# KiCad board v10.kicad_pcb
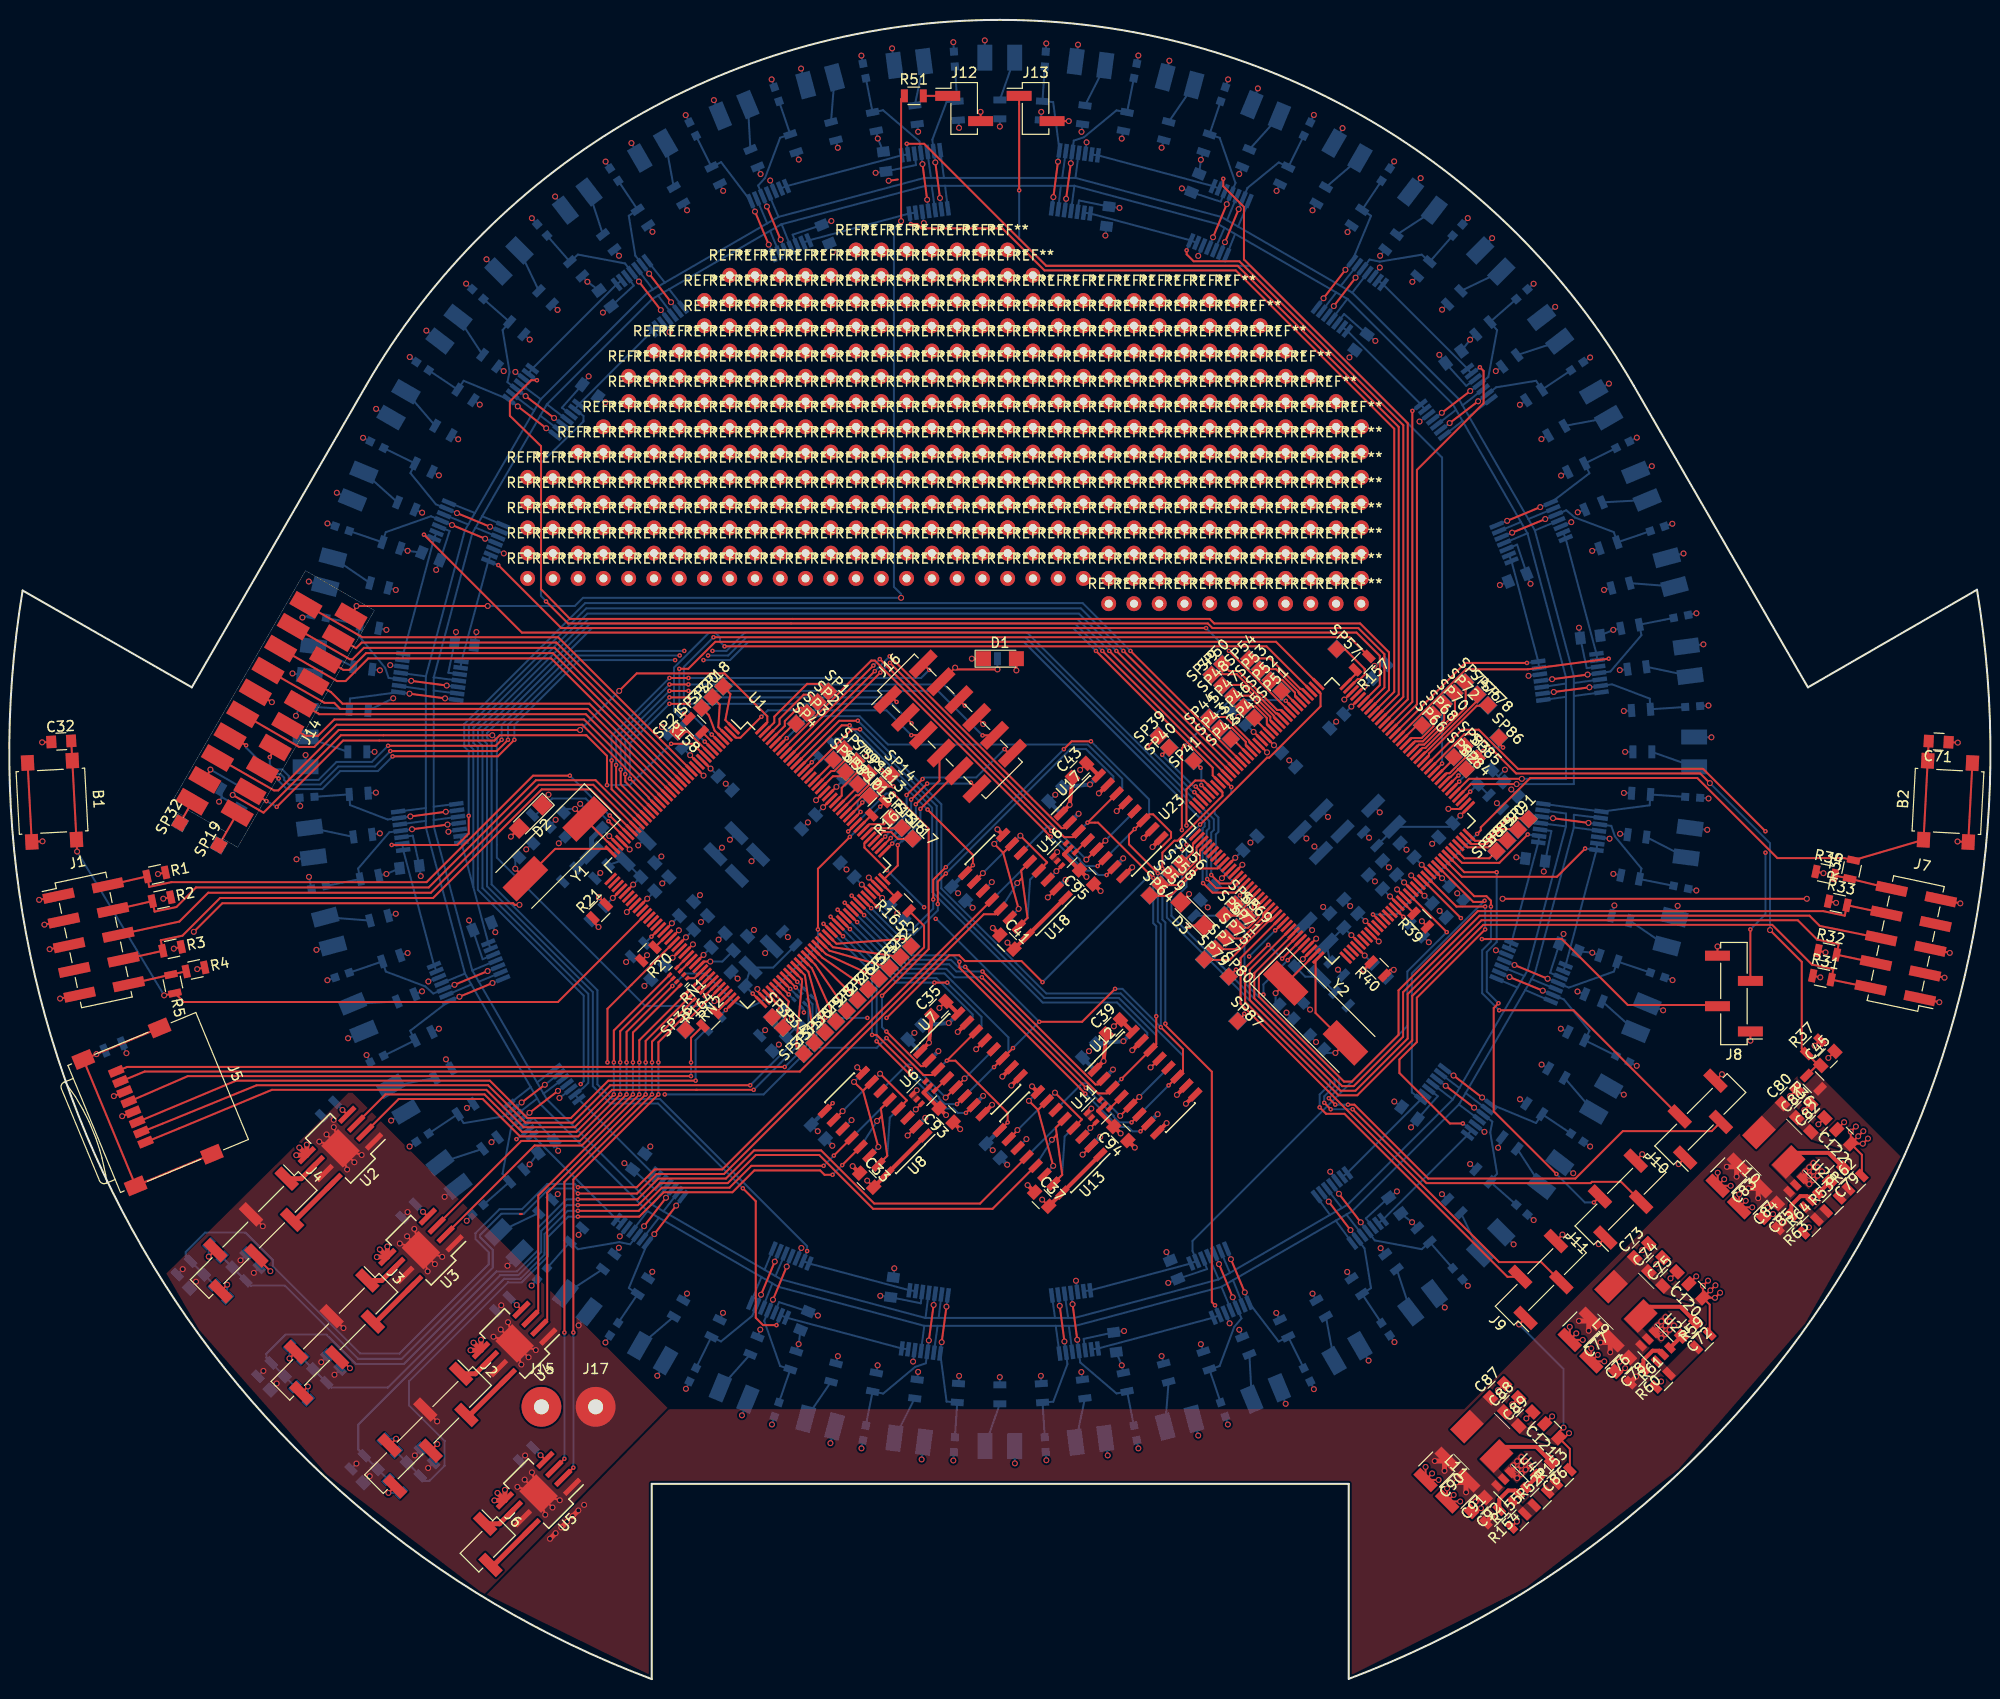
[diagram p0: board, top side]
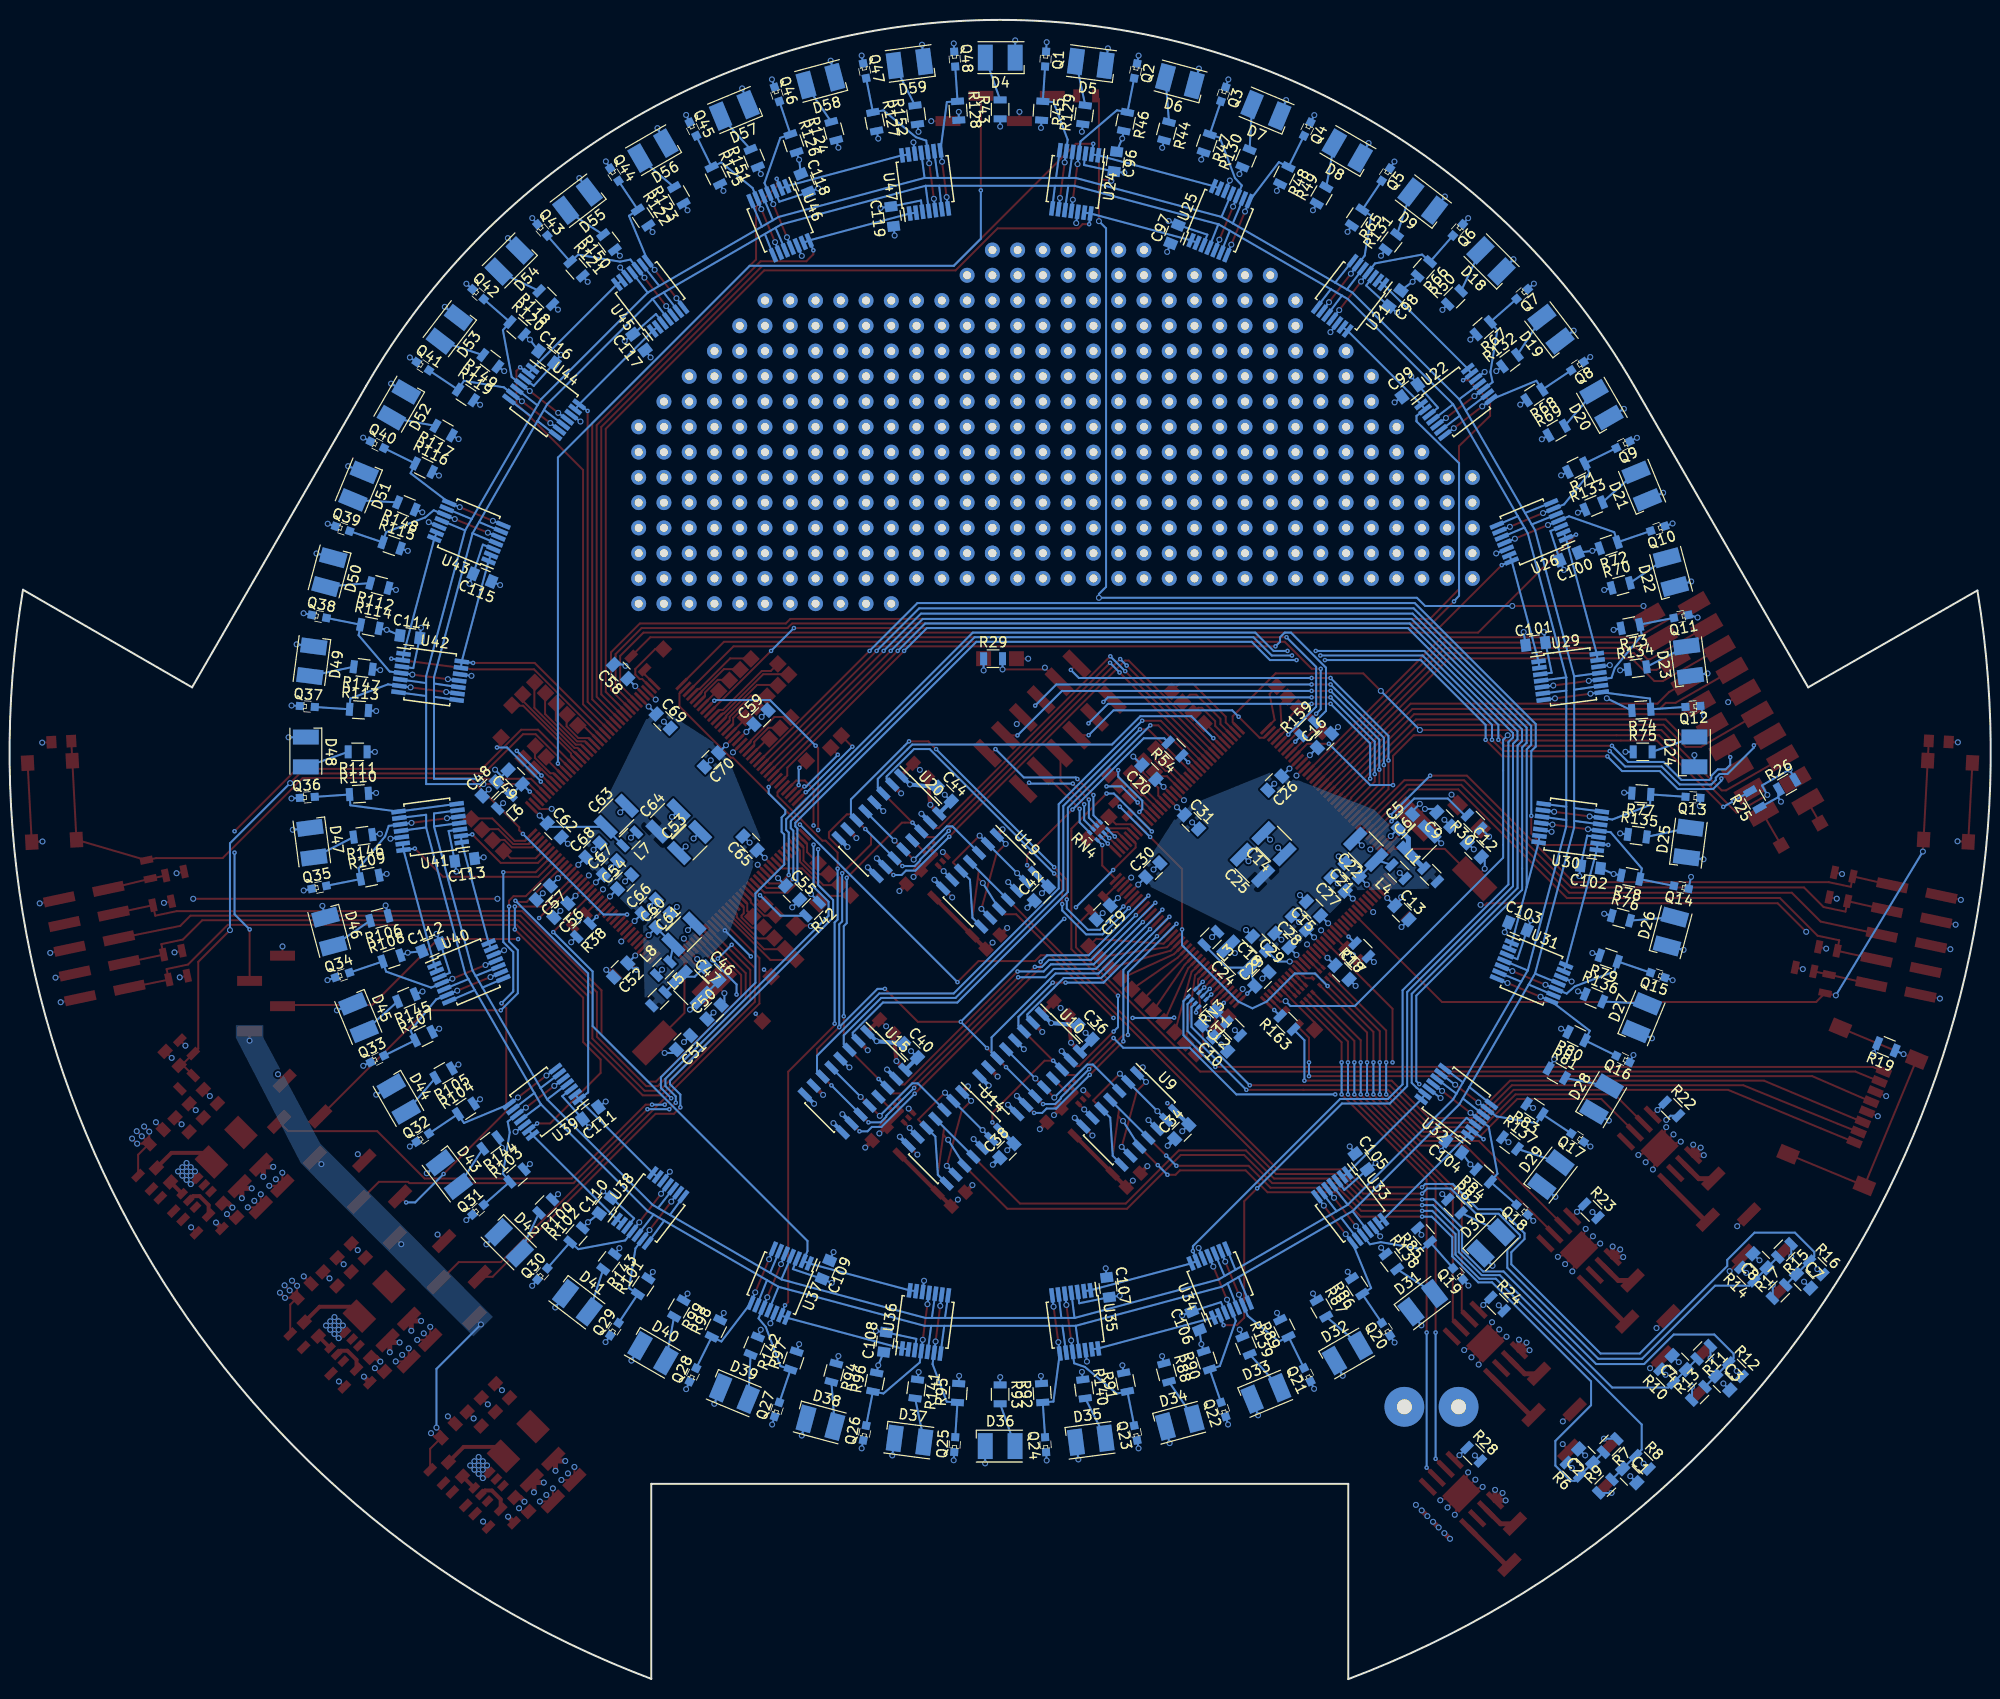
[diagram p1: board, bottom side, seen from below]

Outline 199.16 x 166.83 mm; copper layers: Top, In1.Cu (plane), In2.Cu (plane), Bottom. Coordinates in mm from the lower left corner of the outline.
Outline path: 163.32,130.03 arc(99.58,166.83) 35.84,130.03 18.34,99.72 1.33,109.45 arc(13.36,43.4) 64.58,0 64.58,19.63 134.66,19.63 134.66,0.03 arc(185.84,43.47) 197.82,109.53 180.82,99.72 163.32,130.03

## Placement (name value [footprint] x y rotation side)
B1  BUTTON  [SW_SPST_B3S-1000]  4.29 88.27 273 top
B2  BUTTON  [SW_SPST_B3S-1000]  194.9 88.25 87 top
C1  opt.  [C_0805]  36.28 20.45 225 bottom
C2  opt.  [C_0805]  40.71 22.44 45 bottom
C3  opt.  [C_0805]  26.93 29.78 225 bottom
C4  opt.  [C_0805]  31.3 31.82 45 bottom
C5  100n  [C_0805]  58.84 86.23 135 bottom
C6  10u  [C_1210]  57.48 84.16 135 bottom
C7  opt.  [C_0805]  18.81 40.01 225 bottom
C8  opt.  [C_0805]  23.19 42.05 45 bottom
C9  22p  [C_0805]  54.97 86.45 45 bottom
C10  100n  [C_0805]  77.42 63.85 45 bottom
C11  100n  [C_0805]  78.61 66.46 315 bottom
C12  22p  [C_0805]  51.91 83.38 225 bottom
C13  22p  [C_0805]  59.19 77.07 225 bottom
C14  10u  [C_1210]  72.04 84 45 bottom
C15  100n  [C_0805]  68.08 77.47 45 bottom
C16  100n  [C_0805]  66.97 94.36 135 bottom
C17  100n  [C_0805]  65.21 71.06 225 bottom
C18  100n  [C_0805]  73.5 73.96 45 bottom
C19  100n  [C_0805]  89.22 77.07 315 bottom
C20  100n  [C_0805]  84.62 91.18 45 bottom
C21  100n  [C_0805]  64.19 81.35 45 bottom
C22  10u  [C_1210]  62.82 83.43 45 bottom
C23  100n  [C_0805]  73.27 70.39 135 bottom
C24  10u  [C_1210]  75.58 72.6 45 bottom
C25  10u  [C_1210]  74.21 81.83 45 bottom
C26  100n  [C_0805]  71.96 90.08 315 bottom
C27  100n  [C_0805]  65.6 79.94 45 bottom
C28  100n  [C_0805]  69.49 76.05 45 bottom
C29  100n  [C_0805]  71.26 74.28 45 bottom
C30  100n  [C_0805]  84.23 81.35 135 bottom
C31  100n  [C_0805]  80.34 86.19 225 bottom
C32  10n  [C_0805]  5.22 94.28 3 top
C33  100n  [C_0805]  86.19 50.16 315 top
C34  100n  [C_0805]  81.32 55.04 135 bottom
C35  100n  [C_0805]  93.45 67.43 45 top
C36  100n  [C_0805]  91.05 65.03 225 bottom
C37  100n  [C_0805]  103.78 48.25 315 top
C38  100n  [C_0805]  98.91 53.13 135 bottom
C39  100n  [C_0805]  111 65.59 45 top
C40  100n  [C_0805]  108.59 63.19 225 bottom
C41  100n  [C_0805]  100.29 74.1 315 top
C42  100n  [C_0805]  95.43 78.97 135 bottom
C43  100n  [C_0805]  107.6 91.36 45 top
C44  100n  [C_0805]  105.2 88.97 225 bottom
C45  10n  [C_0805]  182.82 62.41 45 top
C46  100n  [C_0805]  128.57 70.93 225 bottom
C47  10u  [C_1210]  130.64 69.56 225 bottom
C48  100n  [C_0805]  150.95 89.5 135 bottom
C49  100n  [C_0805]  148.34 90.7 45 bottom
C50  22p  [C_0805]  128.34 67.07 135 bottom
C51  22p  [C_0805]  131.42 64 315 bottom
C52  22p  [C_0805]  137.73 71.28 315 bottom
C53  10u  [C_1210]  130.8 84.12 135 bottom
C54  100n  [C_0805]  137.34 80.16 135 bottom
C55  100n  [C_0805]  120.44 79.06 225 bottom
C56  100n  [C_0805]  143.74 77.29 315 bottom
C57  100n  [C_0805]  145.51 79.06 315 bottom
C58  100n  [C_0805]  137.73 101.3 45 bottom
C59  100n  [C_0805]  123.62 96.71 135 bottom
C60  100n  [C_0805]  133.45 76.27 135 bottom
C61  10u  [C_1210]  131.37 74.91 135 bottom
C62  100n  [C_0805]  144.41 85.35 225 bottom
C63  10u  [C_1210]  138.17 86.75 135 bottom
C64  10u  [C_1210]  132.97 86.29 135 bottom
C65  100n  [C_0805]  124.72 84.05 45 bottom
C66  100n  [C_0805]  134.86 77.69 135 bottom
C67  100n  [C_0805]  138.75 81.58 135 bottom
C68  100n  [C_0805]  140.52 83.34 135 bottom
C69  100n  [C_0805]  133.45 96.31 225 bottom
C70  100n  [C_0805]  128.61 92.42 315 bottom
C71  10n  [C_0805]  193.96 94.26 177 top
C72  100n  [C_0805]  168.83 35.19 225 top
C73  22u  [C_0805]  164.11 43.08 45 top
C74  22u  [C_0805]  165.53 41.66 45 top
C75  22u  [C_0805]  166.95 40.24 45 top
C76  10u  [C_1210]  160.1 33 225 top
C77  10u  [C_1210]  157.94 35.17 225 top
C78  100n  [C_0805]  162.17 31.64 225 top
C79  100n  [C_0805]  183.7 50.69 225 top
C80  22u  [C_0805]  178.98 58.57 45 top
C81  22u  [C_0805]  180.4 57.15 45 top
C82  22u  [C_0805]  181.82 55.73 45 top
C83  10u  [C_1210]  172.81 50.66 225 top
C84  10u  [C_1210]  174.97 48.5 225 top
C85  100n  [C_0805]  177.04 47.13 225 top
C86  100n  [C_0805]  154.34 21.11 225 top
C87  22u  [C_0805]  149.62 29 45 top
C88  22u  [C_0805]  151.04 27.58 45 top
C89  22u  [C_0805]  152.46 26.15 45 top
C90  10u  [C_1210]  143.44 21.08 225 top
C91  10u  [C_1210]  145.61 18.92 225 top
C92  100n  [C_0805]  147.68 17.56 225 top
C93  100n  [C_0805]  94.18 56.7 135 top
C94  100n  [C_0805]  111.73 54.86 135 top
C95  100n  [C_0805]  108.3 80.65 135 top
C96  100n  [C_0805]  88 152.58 277.5 bottom
C97  100n  [C_0805]  82.05 145.28 112.5 bottom
C98  100n  [C_0805]  59.89 138.83 307.5 bottom
C99  100n  [C_0805]  58.39 129.54 142.5 bottom
C100  100n  [C_0805]  42.39 112.88 337.5 bottom
C101  100n  [C_0805]  45.75 104.08 172.5 bottom
C102  100n  [C_0805]  40.23 81.65 7.5 bottom
C103  100n  [C_0805]  47.53 75.7 202.5 bottom
C104  100n  [C_0805]  53.97 53.53 37.5 bottom
C105  100n  [C_0805]  63.27 52.03 232.5 bottom
C106  100n  [C_0805]  79.93 36.03 67.5 bottom
C107  100n  [C_0805]  88.73 39.39 262.5 bottom
C108  100n  [C_0805]  111.15 33.87 97.5 bottom
C109  100n  [C_0805]  117.1 41.17 292.5 bottom
C110  100n  [C_0805]  139.27 47.61 127.5 bottom
C111  100n  [C_0805]  140.77 56.91 322.5 bottom
C112  100n  [C_0805]  156.77 73.57 157.5 bottom
C113  100n  [C_0805]  153.41 82.37 352.5 bottom
C114  100n  [C_0805]  158.93 104.8 187.5 bottom
C115  100n  [C_0805]  151.63 110.75 22.5 bottom
C116  100n  [C_0805]  145.19 132.93 217.5 bottom
C117  100n  [C_0805]  135.89 134.42 52.5 bottom
C118  100n  [C_0805]  119.23 150.41 247.5 bottom
C119  100n  [C_0805]  110.43 147.06 82.5 bottom
C120  22u  [C_0805]  169.56 39.04 135 top
C121  22u  [C_0805]  155.07 24.97 135 top
C122  22u  [C_0805]  184.42 54.54 135 top
D1  POW B  [LED_1206]  99.59 102.6 0 top
D2  LED O  [LED_1206]  52.42 86.71 225 top
D3  LED G  [LED_1206]  118.94 76.93 135 top
D4  VLMW41R1T1  [LED_PLCC-2]  99.57 163.03 0 bottom
D5  VLMW41R1T1  [LED_PLCC-2]  90.47 162.45 7.5 bottom
D6  VLMW41R1T1  [LED_PLCC-2]  81.51 160.66 15 bottom
D7  VLMW41R1T1  [LED_PLCC-2]  72.86 157.74 22.5 bottom
D8  VLMW41R1T1  [LED_PLCC-2]  64.68 153.69 30 bottom
D9  VLMW41R1T1  [LED_PLCC-2]  57.09 148.61 37.5 bottom
D18  VLMW41R1T1  [LED_PLCC-2]  50.23 142.59 45 bottom
D19  VLMW41R1T1  [LED_PLCC-2]  44.2 135.73 52.5 bottom
D20  VLMW41R1T1  [LED_PLCC-2]  39.12 128.14 60 bottom
D21  VLMW41R1T1  [LED_PLCC-2]  35.07 119.95 67.5 bottom
D22  VLMW41R1T1  [LED_PLCC-2]  32.14 111.3 75 bottom
D23  VLMW41R1T1  [LED_PLCC-2]  30.37 102.35 82.5 bottom
D24  VLMW41R1T1  [LED_PLCC-2]  29.78 93.23 90 bottom
D25  VLMW41R1T1  [LED_PLCC-2]  30.38 84.12 97.5 bottom
D26  VLMW41R1T1  [LED_PLCC-2]  32.15 75.16 105 bottom
D27  VLMW41R1T1  [LED_PLCC-2]  35.07 66.51 112.5 bottom
D28  VLMW41R1T1  [LED_PLCC-2]  39.12 58.32 120.5 bottom
D29  VLMW41R1T1  [LED_PLCC-2]  44.2 50.73 127.5 bottom
D30  VLMW41R1T1  [LED_PLCC-2]  50.22 43.87 135 bottom
D31  VLMW41R1T1  [LED_PLCC-2]  57.09 37.85 142.5 bottom
D32  VLMW41R1T1  [LED_PLCC-2]  64.67 32.77 150 bottom
D33  VLMW41R1T1  [LED_PLCC-2]  72.86 28.72 157.5 bottom
D34  VLMW41R1T1  [LED_PLCC-2]  81.51 25.79 165 bottom
D35  VLMW41R1T1  [LED_PLCC-2]  90.47 24.02 172.5 bottom
D36  VLMW41R1T1  [LED_PLCC-2]  99.58 23.43 180 bottom
D37  VLMW41R1T1  [LED_PLCC-2]  108.69 24.02 187.5 bottom
D38  VLMW41R1T1  [LED_PLCC-2]  117.65 25.78 195 bottom
D39  VLMW41R1T1  [LED_PLCC-2]  126.29 28.72 202.5 bottom
D40  VLMW41R1T1  [LED_PLCC-2]  134.48 32.77 210 bottom
D41  VLMW41R1T1  [LED_PLCC-2]  142.08 37.85 217.5 bottom
D42  VLMW41R1T1  [LED_PLCC-2]  148.93 43.87 225 bottom
D43  VLMW41R1T1  [LED_PLCC-2]  154.96 50.73 232.5 bottom
D44  VLMW41R1T1  [LED_PLCC-2]  160.04 58.32 240 bottom
D45  VLMW41R1T1  [LED_PLCC-2]  164.08 66.51 247.5 bottom
D46  VLMW41R1T1  [LED_PLCC-2]  167.02 75.16 255 bottom
D47  VLMW41R1T1  [LED_PLCC-2]  168.77 84.1 262.5 bottom
D48  VLMW41R1T1  [LED_PLCC-2]  169.38 93.22 270 bottom
D49  VLMW41R1T1  [LED_PLCC-2]  168.78 102.34 277.5 bottom
D50  VLMW41R1T1  [LED_PLCC-2]  167.02 111.3 285 bottom
D51  VLMW41R1T1  [LED_PLCC-2]  164.08 119.95 292.5 bottom
D52  VLMW41R1T1  [LED_PLCC-2]  160.03 128.13 300 bottom
D53  VLMW41R1T1  [LED_PLCC-2]  154.95 135.71 307.5 bottom
D54  VLMW41R1T1  [LED_PLCC-2]  148.93 142.58 315 bottom
D55  VLMW41R1T1  [LED_PLCC-2]  142.07 148.6 322.5 bottom
D56  VLMW41R1T1  [LED_PLCC-2]  134.49 153.69 330 bottom
D57  VLMW41R1T1  [LED_PLCC-2]  126.3 157.73 337.5 bottom
D58  VLMW41R1T1  [LED_PLCC-2]  117.65 160.67 345 bottom
D59  VLMW41R1T1  [LED_PLCC-2]  108.7 162.44 352.5 bottom
J1  JTAG  [Pin_Header_Straight_2x05_Pitch2.54mm_SMD]  8.47 74.32 12 top
J2  Motor + Enc 1  [Pin_Header_Straight_1x06_Pitch2.54mm_SMD_Pin1Left]  42.09 25.04 315 top
J3  Motor + Enc 2  [Pin_Header_Straight_1x06_Pitch2.54mm_SMD_Pin1Left]  32.68 34.42 315 top
J4  Motor + Enc 3  [Pin_Header_Straight_1x06_Pitch2.54mm_SMD_Pin1Left]  24.56 44.66 315 top
J5  Micro_SD_Card  [microSD_Card_Receptacle_Wuerth_693072010801]  14.96 57.98 112.5 top
J6  Motor 4  [Pin_Header_Straight_1x02_Pitch2.54mm_SMD_Pin1Left]  48.1 13.55 315 top
J7  JTAG  [Pin_Header_Straight_2x05_Pitch2.54mm_SMD]  190.65 73.96 168 top
J8  Ultrasonic 1  [Pin_Header_Straight_1x04_Pitch2.54mm_SMD_Pin1Left]  173.38 68.93 180 top
J9  Ultrasonic 2  [Pin_Header_Straight_1x04_Pitch2.54mm_SMD_Pin1Left]  153.96 40.18 135 top
J10  Ultrasonic 3  [Pin_Header_Straight_1x04_Pitch2.54mm_SMD_Pin1Left]  170 56.3 135 top
J11  Ultrasonic 4  [Pin_Header_Straight_1x04_Pitch2.54mm_SMD_Pin1Left]  161.98 48.26 135 top
J12  light_barrier transmitter  [Pin_Header_Straight_1x02_Pitch2.54mm_SMD_Pin1Left]  95.99 157.92 0 top
J13  light_barrier reciver  [Pin_Header_Straight_1x02_Pitch2.54mm_SMD_Pin1Left]  103.17 157.92 0 top
J14  UI+top  [2178711_Wire-To-Board_20-Pin_1,27mm_SMD]  26.36 97.54 240 top
J15  POW_12V  [SolderWirePad_single_1-5mmDrill]  53.49 27.38 0 top
J16  Raspberry Pi  [Pin_Header_Straight_2x06_Pitch2.54mm_SMD]  94.57 95.8 45 top
J17  POW_GND  [SolderWirePad_single_1-5mmDrill]  58.94 27.38 0 top
L1  74279206  [L_0805]  56.3 80.87 225 bottom
L2  74279206  [L_0805]  76.11 65.37 225 bottom
L3  74279206  [L_0805]  78.39 74.49 315 bottom
L4  74279206  [L_0805]  59.53 81.18 45 bottom
L5  74279206  [L_0805]  133.94 68.39 315 bottom
L6  74279206  [L_0805]  149.43 88.19 135 bottom
L7  74279206  [L_0805]  136.82 84.48 315 bottom
L8  74279206  [L_0805]  133.45 71.45 135 bottom
L9  -  [SRP5015TA-3R3M]  162.52 37.98 135 top
L10  -  [SRP5015TA-3R3M]  177.39 53.47 135 top
L11  -  [SRP5015TA-3R3M]  148.03 23.9 135 top
Q1  KDT00030TR  [ChipLED]  95.01 162.89 273.8 bottom
Q2  KDT00030TR  [ChipLED]  85.96 161.7 281.2 bottom
Q3  KDT00030TR  [ChipLED]  77.14 159.35 288.8 bottom
Q4  KDT00030TR  [ChipLED]  68.7 155.85 296.2 bottom
Q5  KDT00030TR  [ChipLED]  60.8 151.27 303.8 bottom
Q6  KDT00030TR  [ChipLED]  53.56 145.71 311.2 bottom
Q7  KDT00030TR  [ChipLED]  47.1 139.26 318.8 bottom
Q8  KDT00030TR  [ChipLED]  41.54 132.01 326.2 bottom
Q9  KDT00030TR  [ChipLED]  36.96 124.11 333.8 bottom
Q10  KDT00030TR  [ChipLED]  33.46 115.68 341.2 bottom
Q11  KDT00030TR  [ChipLED]  31.11 106.85 348.8 bottom
Q12  KDT00030TR  [ChipLED]  29.93 97.8 356.2 bottom
Q13  KDT00030TR  [ChipLED]  29.93 88.66 3.8 bottom
Q14  KDT00030TR  [ChipLED]  31.11 79.61 11.2 bottom
Q15  KDT00030TR  [ChipLED]  33.46 70.78 18.8 bottom
Q16  KDT00030TR  [ChipLED]  36.96 62.35 26.2 bottom
Q17  KDT00030TR  [ChipLED]  41.53 54.44 33.8 bottom
Q18  KDT00030TR  [ChipLED]  47.11 47.2 41.2 bottom
Q19  KDT00030TR  [ChipLED]  53.55 40.75 48.8 bottom
Q20  KDT00030TR  [ChipLED]  60.79 35.18 56.8 bottom
Q21  KDT00030TR  [ChipLED]  68.7 30.6 63.8 bottom
Q22  KDT00030TR  [ChipLED]  77.14 27.11 71.8 bottom
Q23  KDT00030TR  [ChipLED]  85.96 24.75 78.8 bottom
Q24  KDT00030TR  [ChipLED]  95.01 23.57 86.2 bottom
Q25  KDT00030TR  [ChipLED]  104.14 23.58 93.8 bottom
Q26  KDT00030TR  [ChipLED]  113.2 24.76 101.2 bottom
Q27  KDT00030TR  [ChipLED]  122.01 27.11 108.8 bottom
Q28  KDT00030TR  [ChipLED]  130.46 30.59 116.2 bottom
Q29  KDT00030TR  [ChipLED]  138.36 35.18 123.8 bottom
Q30  KDT00030TR  [ChipLED]  145.6 40.75 131.2 bottom
Q31  KDT00030TR  [ChipLED]  152.06 47.2 138.8 bottom
Q32  KDT00030TR  [ChipLED]  157.62 54.44 146.2 bottom
Q33  KDT00030TR  [ChipLED]  162.2 62.35 153.8 bottom
Q34  KDT00030TR  [ChipLED]  165.7 70.79 161.2 bottom
Q35  KDT00030TR  [ChipLED]  168.05 79.61 168.8 bottom
Q36  KDT00030TR  [ChipLED]  169.23 88.66 176.2 bottom
Q37  KDT00030TR  [ChipLED]  169.23 97.79 183.8 bottom
Q38  KDT00030TR  [ChipLED]  168.05 106.85 191.2 bottom
Q39  KDT00030TR  [ChipLED]  165.69 115.66 198.8 bottom
Q40  KDT00030TR  [ChipLED]  162.2 124.1 206.2 bottom
Q41  KDT00030TR  [ChipLED]  157.62 132.01 213.8 bottom
Q42  KDT00030TR  [ChipLED]  152.06 139.25 221.2 bottom
Q43  KDT00030TR  [ChipLED]  145.6 145.7 228.8 bottom
Q44  KDT00030TR  [ChipLED]  138.36 151.26 236.2 bottom
Q45  KDT00030TR  [ChipLED]  130.46 155.84 243.8 bottom
Q46  KDT00030TR  [ChipLED]  122.02 159.34 251.2 bottom
Q47  KDT00030TR  [ChipLED]  113.2 161.7 258.8 bottom
Q48  KDT00030TR  [ChipLED]  104.15 162.88 266.2 bottom
R1  100K  [R_0805]  14.77 80.91 192 top
R2  100K  [R_0805]  15.3 78.42 192 top
R3  100K  [R_0805]  16.36 73.43 192 top
R4  100K  [R_0805]  18.71 71.36 192 top
R5  0  [R_0805]  16.44 69.91 282 top
R6  3.3K  [R_0805]  41.98 21.1 45 bottom
R7  2.2K  [R_0805]  38.25 23.49 315 bottom
R8  3.3K  [R_0805]  35.01 21.79 225 bottom
R9  2.2K  [R_0805]  38.74 19.41 135 bottom
R10  3.3K  [R_0805]  32.57 30.48 45 bottom
R11  2.2K  [R_0805]  28.84 32.87 315 bottom
R12  3.3K  [R_0805]  25.66 31.11 225 bottom
R13  2.2K  [R_0805]  29.39 28.73 135 bottom
R14  3.3K  [R_0805]  24.46 40.72 45 bottom
R15  2.2K  [R_0805]  20.73 43.1 315 bottom
R16  3.3K  [R_0805]  17.55 41.35 225 bottom
R17  2.2K  [R_0805]  21.27 38.96 135 bottom
R18  0  [R_0805]  63.23 73.32 225 bottom
R19  opt.  [R_0805]  10.48 63.56 22.5 bottom
R20  100K  [R_0805]  64.23 72.91 225 top
R21  6.8K  [R_0805]  59.34 77.21 225 top
R22  27K  [R_0805]  32.06 57.32 225 bottom
R23  27K  [R_0805]  40.15 47.08 225 bottom
R24  27K  [R_0805]  49.57 37.71 225 bottom
R25  1.8K  [R_0805]  23.7 88.44 60 bottom
R26  1.8K  [R_0805]  20.47 89.94 150 bottom
R28  27K  [R_0805]  51.97 22.61 225 bottom
R29  82  [R_0805]  100.29 102.6 180 bottom
R30  68  [R_0805]  51.92 86.21 45 bottom
R31  100K  [R_0805]  182.23 70.53 348 top
R32  100K  [R_0805]  182.76 73.04 348 top
R33  100K  [R_0805]  183.82 78.01 348 top
R34  100K  [R_0805]  182.55 81 348 top
R35  0  [R_0805]  185.21 81.41 78 top
R36  330K  [R_0805]  181.37 60.02 135 top
R37  100K  [R_0805]  181.37 63.57 45 top
R38  0  [R_0805]  141.48 75.31 315 bottom
R39  100K  [R_0805]  141.89 76.32 315 top
R40  6.8K  [R_0805]  137.59 71.42 315 top
R42  68  [R_0805]  118.44 77.43 315 bottom
R43  160  [R_0805]  99.58 157.83 90 bottom
R44  160  [R_0805]  82.85 155.64 105 bottom
R45  6.2K  [R_0805]  95.35 157.69 273.8 bottom
R46  6.2K  [R_0805]  86.97 156.6 281.2 bottom
R47  6.2K  [R_0805]  78.81 154.42 288.8 bottom
R48  6.2K  [R_0805]  71.01 151.19 296.2 bottom
R49  160  [R_0805]  67.27 149.19 120 bottom
R50  160  [R_0805]  53.91 138.91 135 bottom
R51  160  [R_0805]  90.93 159.19 0 top
R52  3.9K  [R_0805]  153.98 18.14 45 top
R53  3.9K  [R_0805]  183.34 47.73 45 top
R54  22  [R_0805]  82.01 93.52 45 bottom
R59  33.2K  [R_0805]  170.28 34.03 45 top
R60  10K  [R_0805]  163.62 30.48 225 top
R61  10K  [R_0805]  166.18 30.05 45 top
R62  49.9K  [R_0805]  185.57 49.96 45 top
R63  10K  [R_0805]  178.49 45.97 225 top
R64  10K  [R_0805]  181.05 45.55 45 top
R65  6.2K  [R_0805]  63.69 146.95 303.8 bottom
R66  6.2K  [R_0805]  56.98 141.8 311.2 bottom
R67  6.2K  [R_0805]  51.01 135.83 318.8 bottom
R68  6.2K  [R_0805]  45.86 129.12 326.2 bottom
R69  160  [R_0805]  43.63 125.54 150 bottom
R70  160  [R_0805]  37.18 109.96 165 bottom
R71  6.2K  [R_0805]  41.64 121.81 333.8 bottom
R72  6.2K  [R_0805]  38.4 114 341.2 bottom
R73  6.2K  [R_0805]  36.21 105.84 348.8 bottom
R74  6.2K  [R_0805]  35.12 97.45 356.2 bottom
R75  160  [R_0805]  34.98 93.23 180 bottom
R76  160  [R_0805]  37.17 76.51 195 bottom
R77  6.2K  [R_0805]  35.12 89.01 3.8 bottom
R78  6.2K  [R_0805]  36.21 80.62 11.2 bottom
R79  6.2K  [R_0805]  38.39 72.46 18.8 bottom
R80  6.2K  [R_0805]  41.63 64.64 26.2 bottom
R81  160  [R_0805]  43.62 60.91 210 bottom
R82  160  [R_0805]  53.9 47.55 225 bottom
R83  6.2K  [R_0805]  45.86 57.33 33.8 bottom
R84  6.2K  [R_0805]  51.01 50.63 41.2 bottom
R85  6.2K  [R_0805]  56.98 44.66 48.8 bottom
R86  6.2K  [R_0805]  63.69 39.51 56.8 bottom
R87  160  [R_0805]  67.28 37.27 240 bottom
R88  160  [R_0805]  82.86 30.82 255 bottom
R89  6.2K  [R_0805]  71 35.28 63.8 bottom
R90  6.2K  [R_0805]  78.81 32.04 71.8 bottom
R91  6.2K  [R_0805]  86.98 29.86 78.8 bottom
R92  6.2K  [R_0805]  95.36 28.77 86.2 bottom
R93  160  [R_0805]  99.58 28.63 270 bottom
R94  160  [R_0805]  116.3 30.81 285 bottom
R95  6.2K  [R_0805]  103.81 28.76 93.8 bottom
R96  6.2K  [R_0805]  112.19 29.86 101.2 bottom
R97  6.2K  [R_0805]  120.35 32.03 108.8 bottom
R98  6.2K  [R_0805]  128.15 35.27 116.2 bottom
R99  160  [R_0805]  131.88 37.27 300 bottom
R100  160  [R_0805]  145.26 47.55 315 bottom
R101  6.2K  [R_0805]  135.47 39.51 123.8 bottom
R102  6.2K  [R_0805]  142.17 44.66 131.2 bottom
R103  6.2K  [R_0805]  148.15 50.63 138.8 bottom
R104  6.2K  [R_0805]  153.3 57.34 146.2 bottom
R105  160  [R_0805]  155.53 60.92 330 bottom
R106  160  [R_0805]  161.99 76.5 345 bottom
R107  6.2K  [R_0805]  157.53 64.65 153.8 bottom
R108  6.2K  [R_0805]  160.76 72.46 161.2 bottom
R109  6.2K  [R_0805]  162.95 80.63 168.8 bottom